# Altium PCB GrunMasterBox.PcbDoc (part 1 of 3) (continued)
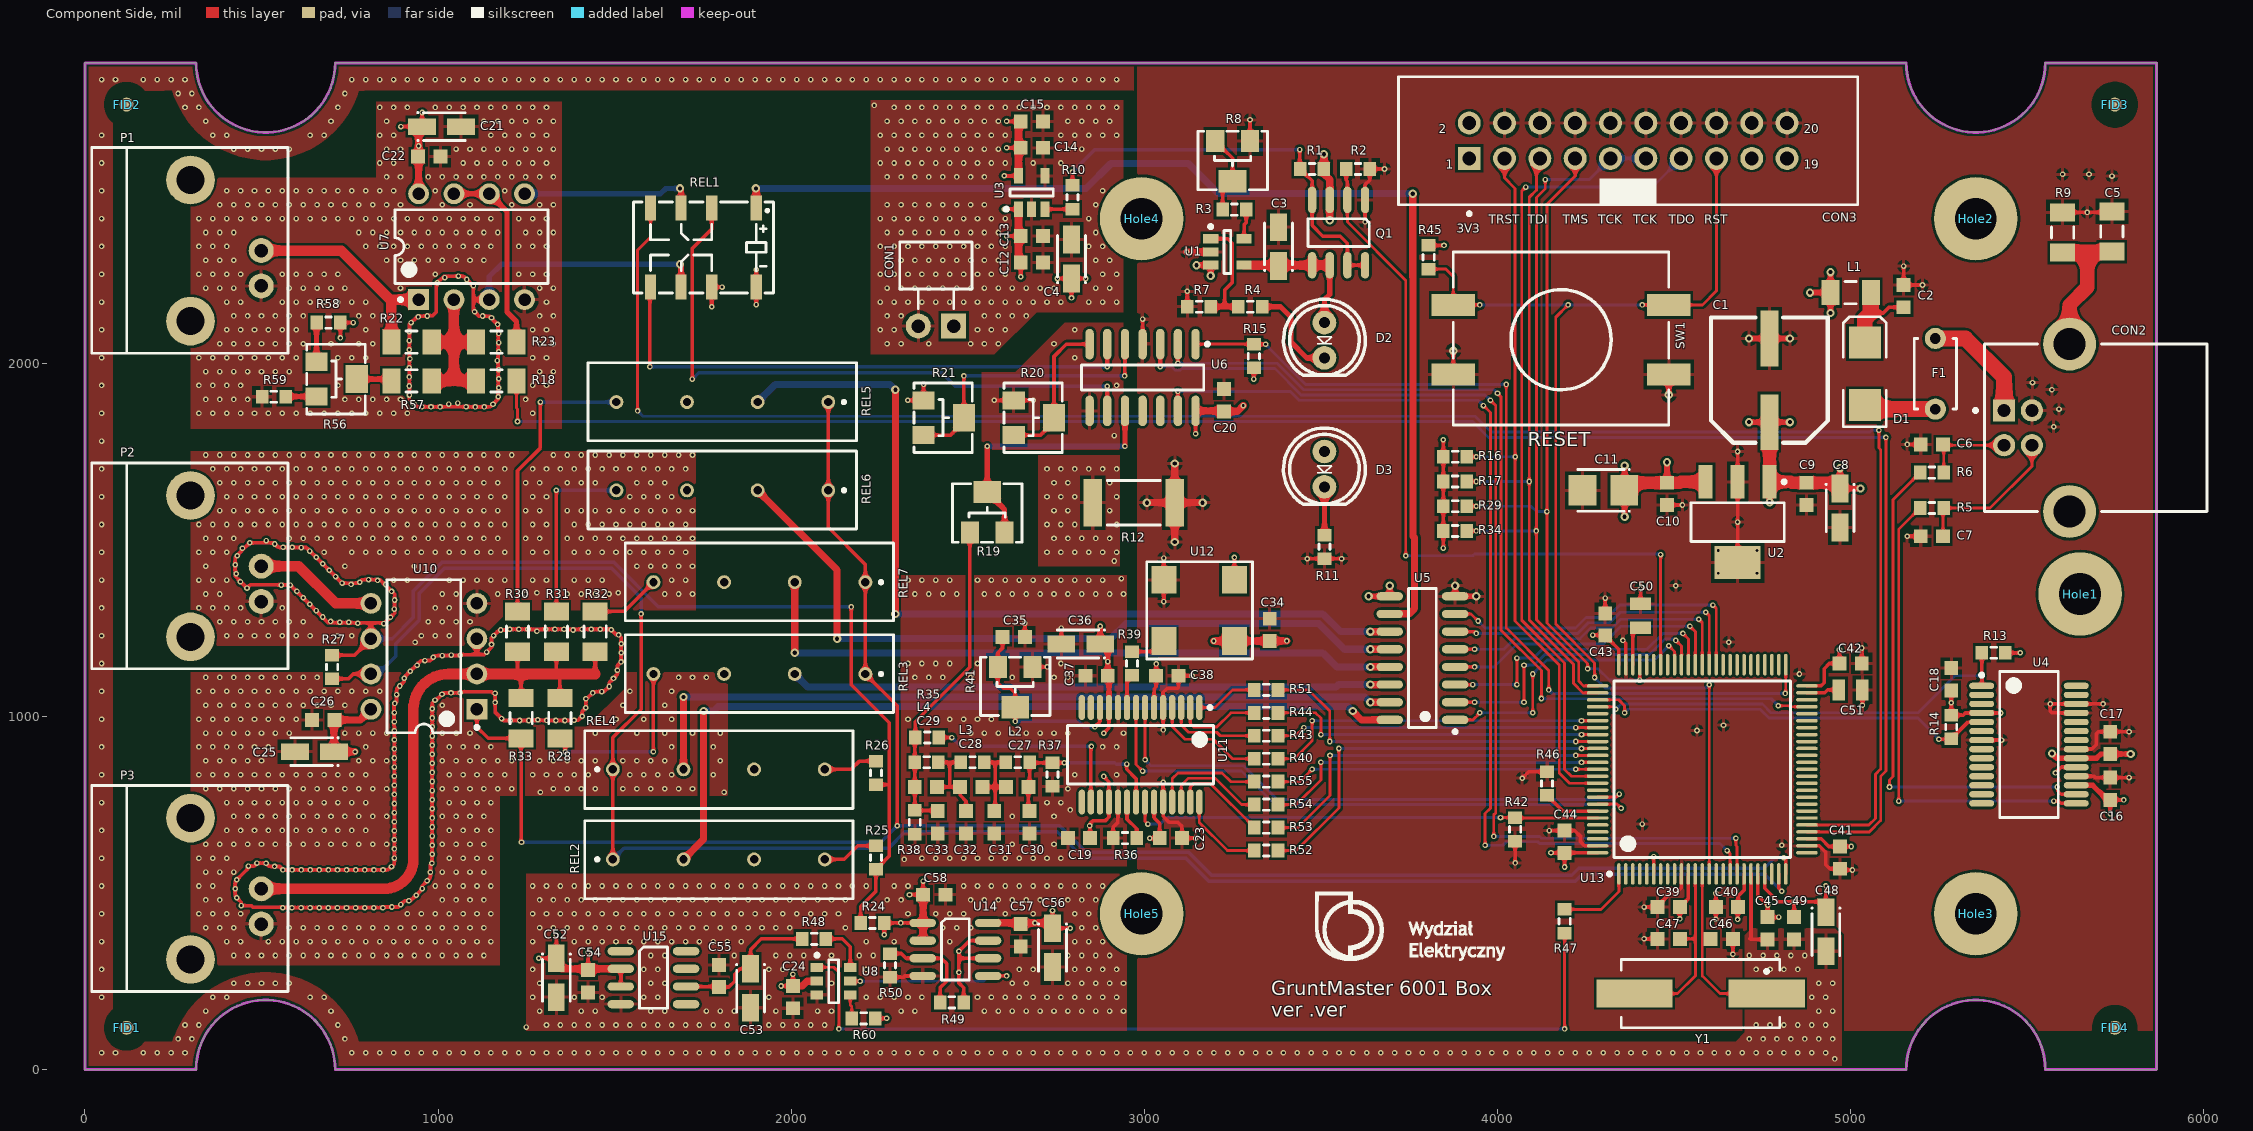
[diagram p0: Component Side view]
## Components (designator, comment, footprint, x,y, rotation, side; value= is the part's Value field where it differs from the comment) (continued)
P3 "BNC" 1-1337542-0 399.21,511.81 r90 top locked
Q1 "IRF7343" SO-8_L 3550,2370 r270 top
R1 "3k" RESC1608N 3475,2550 r180 top
R2 "10k" RESC1608N 3605,2550 r0 top
R3 "3.9k" RESC1608N 3255,2435 r180 top
R4 "470R" RESC1608N 3300,2160 r180 top
R5 "27R" RESC1608N 5230,1590 r0 top
R6 "27R" RESC1608N 5230,1690 r0 top
R7 "3k" RESC1608N 3155,2160 r180 top
R8 "3214W" POT3214W 3250,2515 r90 top
R9 "10M" RESC3216N 5600,2370 r270 top
R10 "1k" RESC1608N 2796.5,2470 r270 top
R11 "220R" RESC1608N 3510,1480 r270 top
R12 "0R" RESC6332N 2970,1605 r0 top
R13 "100k" RESC1608N 5405,1180 r0 top
R14 "100k" RESC1608N 5285,970 r90 top
R15 "10k" RESC1608N 3310,2020 r270 top
R16 "47k" RESC1608N 3880,1735 r180 top
R17 "47k" RESC1608N 3880,1665 r180 top
R18 "1k" RESC3216N 1165,1950 r180 top
R19 "3214W" POT3214W 2555,1635 r270 top
R20 "3214W" POT3214W 2744.17,1845.79 r180 top
R21 "3214W" POT3214W 2489.17,1845.79 r180 top
R22 "1k" RESC3216N 925,2060 r180 top
R23 "1k" RESC3216N 1165,2060 r180 top
R24 "1k" RESC1608N 2230,415 r180 top
R25 "100R" RESC1608N 2240,600 r90 top
R26 "4k7" RESC1608N 2240,840 r90 top
R27 "22k" RESC1608N 700,1140 r270 top
R28 "1k" RESC3216N 1345,995 r90 top
R29 "47k" RESC1608N 3880,1595 r180 top
R30 "100k" RESC3216N 1225,1240 r90 top
R31 "100R" RESC3216N 1335,1240 r270 top
R32 "4k7" RESC3216N 1445,1240 r270 top
R33 "1M" RESC3216N 1235,995 r90 top
R34 "47k" RESC1608N 3880,1525 r180 top
R35 "1k" RESC1608N 2385,940 r180 top
R36 "25R" RESC1608N 2945,655 r0 top
R37 "220R" RESC1608N 2740,835 r270 top
R38 "50R" RESC1608N 2350,700 r270 top
R39 "10R" RESC1608N 2965,1150 r90 top
R40 "100R" RESC1608N 3345,880 r180 top
R41 "3214W" POT3214W 2634.21,1025.83 r90 top
R42 "10k" RESC1608N 4050,680 r270 top
R43 "100R" RESC1608N 3345,945 r180 top
R44 "100R" RESC1608N 3345,1010 r180 top
R45 "10k" RESC1608N 3805,2300 r90 top
R46 "10k" RESC1608N 4140,810 r270 top
R47 "10k" RESC1608N 4190,420 r90 top
R48 "100R" RESC1608N 2065,370 r0 top
R49 "3.9k" RESC1608N 2455,190 r180 top
R50 "3.9k" RESC1608N 2280,295 r270 top
R51 "100R" RESC1608N 3345,1075 r180 top
R52 "100R" RESC1608N 3345,620 r180 top
R53 "100R" RESC1608N 3345,685 r180 top
R54 "100R" RESC1608N 3345,750 r180 top
R55 "100R" RESC1608N 3345,815 r180 top
R56 "3214W" POT3214W 770,1955 r180 top
R57 "1k" RESC3216N 925,1950 r180 top
R58 "100k" RESC1608N 690,2115 r180 top
R59 "100k" RESC1608N 535,1905 r180 top
R60 "100R" RESC1608N 2205,145 r0 top
REL1 "G6K" G6K-2G-Y 1900.98,2440 r180 top
REL2 "RR9007" REED_RELAY_9007 1495,595 r0 top
REL3 "RR9007" REED_RELAY_9007 2210,1120 r180 top
REL4 "RR9007" REED_RELAY_9007 1495,850 r0 top
REL5 "RR9007" REED_RELAY_9007 2105,1890 r180 top
REL6 "RR9007" REED_RELAY_9007 2105,1640 r180 top
REL7 "RR9007" REED_RELAY_9007 2210,1380 r180 top
SW1 "DTSM-25" DTSM-25 4179.88,2066.57 r0 top
U1 "MCP73831T-2ATI/OT" SOT23-5_N 3235,2315 r0 top
U2 "LM3940IMP-3.3" MP04A_N 4680,1550 r270 top
U3 "LP5907-Q1" sot23-5_N 2680.94,2483.43 r90 top
U4 "FT232RL" SSOP28 5505,920 r0 top
U5 "ULN2003" SO16_N 3880,990 r180 top
U6 "MCP42010-14" SOIC-14 3145,2053.98 r270 top
U7 "MCP6002" DIP8 1095,2330 r90 top locked
U8 "MAX462X" SOT23-6 2120,250 r0 top
U10 "MCP6002" DIP8 960,1170 r180 top locked
U11 "AD9850BRSZ" SSOP28 2989.25,891.14 r270 top
U12 "ASSPXO" EPON_XO 3155,1300 r180 top
U13 "STM32F407VET6" LQFP100_L 4580,850 r90 top
U14 "MCP6002" SO-8_L 2465,340 r0 top
U15 "REF191" SO-8_L 1610,260 r0 top
Y1 "8MHz" HC49/4H_SMX 4575,215 r180 top

## Footprints (in the part's own frame and the unit in brackets; to place one, negate y for a bottom-side part, rotate by r counter-clockwise, add the part's x,y. Pads: shape width x height; smd on the part's side, far side on the other; paste and mask are expansions set on the pad)
1-1337542-0 [mm] "Gniazdo; BNC; ¿eñskie; izolowane; k¹towe 90°; 50?; THT; polietylen"
  round 1.8 hole 0.97: 1(0,-2.54) 2(-2.54,-2.54)
  round 3.5 hole 2.015: ""(-5.08,2.54) ""(5.08,2.54)
  silkscreen extent -7.38,-4.46 7.42,9.64, body extent -7.37,-4.76 7.33,43.35, height 14.15
CAP_SMD_8.3x6.2 [mm]
  rect 1.3x4 smd: 1(0,-3.009) 2(0,3.009)
  silkscreen extent -4.2,-4.49 4.2,4.51, body extent -4.15,-4.54 4.15,4.46, height 6.2
CAPC1608N [mm] "Chip Capacitor, Body 1.6x0.8mm, IPC Medium Density"
  rect 1x1 smd: 1(-0.8,0) 2(0.8,0)
  body extent -0.8,-0.4 0.8,0.4, height 0.3
CAPC2012N [mm] "Chip Capacitor, Body 2.0x1.3mm, IPC Medium Density"
  rect 0.9x1.5 smd: 1(-0.85,0) 2(0.85,0)
  body extent -1,-0.61 1,0.64, height 0.78
CAPC3216N [mm] "Chip Capacitor, Body 3.2x1.6mm, IPC Medium Density"
  rect 1.3x1.8 smd: 1(-1.45,0) 2(1.45,0)
  silkscreen extent -0.4,-0.8 0.4,0.8, body extent -1.63,-0.79 1.57,0.81, height 1
DIP8 [mm] "DIP, 8-Leads, Row Spacing 7.62mm, Pitch 2.54mm, Body 9.9x6.4mm"
  rect 1.5x1.5 hole 0.9: 1(-3.81,3.81)
  round 1.5 hole 0.9: 2(-3.81,1.27) 3(-3.81,-1.27) 4(-3.81,-3.81) 5(3.81,-3.81) 6(3.81,-1.27) 7(3.81,1.27) 8(3.81,3.81)
  silkscreen extent -3.93,-5.5 2.65,5.5, body extent -5.08,-5.08 5.08,5.08, height 8.3
DTSM-25 [mm]
  rect 3.1x1.6 smd: 1(-7.75,2.5) 2(7.75,2.5) 3(-7.75,-2.5) 4(7.75,-2.5)
  silkscreen extent -7.75,-6.14 7.74,6.31, body extent -7.55,-6 7.45,6, height 8.5
EPON_XO [mm]
  rect 1.8x2 smd: 1(-2.54,-2.2) 2(2.54,-2.2) 3(2.54,2.2) 4(-2.54,2.2)
  silkscreen extent -3.84,-3.5 3.76,3.5, body extent -3.69,-2.4 3.61,2.4, height 1
FERRITE_1206 [mm] "Chip Resistor, Body 3.2x1.6mm, IPC Medium Density"
  rect 1.3x1.8 smd: 1(-1.45,0) 2(1.45,0)
  silkscreen extent -0.4,-0.8 0.4,0.8, body extent -1.6,-0.8 1.6,0.8, height 1.1
"Fid Round" [mm]
  round 1 smd paste-2.54 mask+1: 0(0,0)
  Component Side pour cut-out: -1.651,0 -1.525,0.632 -1.167,1.167 -0.632,1.525 0,1.651 0,1.651 0.632,1.525 1.167,1.167 1.525,0.632 1.651,0 1.651,0 1.525,-0.632 1.167,-1.167 0.632,-1.525 0,-1.651 0,-1.651 -0.632,-1.525 -1.167,-1.167 -1.525,-0.632 -1.651,0
G6K-2G-Y [mm] "PrzekaŸnik: elektromagnetyczny; DPDT; Ucewki :5VDC; 0,3A/125VAC"
  rect 0.8x1.8 smd: 1(0,0) 2(3.2,0) 3(5.4,0) 4(7.6,0) 5(7.6,5.7) 6(5.4,5.7) 7(3.2,5.7) 8(0,5.7)
  silkscreen extent -1.25,-0.43 8.82,6.12, body extent -1.2,-0.4 8.8,6.1, height 5.4
HC49/4H_SMX [mm] "Quartz Crystal, SM; Body 13.4 (inc. leads) x 4.9 mm (LxW max)"
  rect 5.5x2 smd paste-1: 1(-4.75,0) 2(4.75,0)
  silkscreen extent -5.7,-2.45 5.7,2.45, body extent -6.7,-2.45 6.7,2.45, height 5.08
Hole-3/6 [mm]
  round 6 hole 3: 1(0,0)
IDC20_10x2 [mm] "Connector; IDC, Straight Press-in Pin, Thru-Hole; 20 Position; Vertical; Pitch 2.54 mm; Body 33.02 x 9.2 x 9.45 mm (LxWxH)"
  rect 1.65x1.65 hole 1: 1(-11.43,-1.27)
  round 1.65 hole 1: 2(-11.43,1.27) 3(-8.89,-1.27) 4(-8.89,1.27) 5(-6.35,-1.27) 6(-6.35,1.27) 7(-3.81,-1.27) 8(-3.81,1.27) 9(-1.27,-1.27) 10(-1.27,1.27) 11(1.27,-1.27) 12(1.27,1.27) 13(3.81,-1.27) 14(3.81,1.27) 15(6.35,-1.27) 16(6.35,1.27) 17(8.89,-1.27) 18(8.89,1.27) 19(11.43,-1.27) 20(11.43,1.27)
  silkscreen extent -16.51,-5.37 16.51,4.6, body extent -16.5,-4.32 16.5,4.53, height 8.94
inductor_0603 [mm]
  rect 1x0.9 smd: 1(0,0) 2(0,1.7)
  silkscreen extent -0.4,0.65 0.4,1.05, body extent -0.48,0.1 0.47,1.7, height 0.78
LQFP100_L [mm] "Thin QFP, 100-Leads, Body 14x14mm, Pitch 0.5mm, IPC High Density"
  oval 1.55x0.25 smd: 1(-7.525,6) 2(-7.525,5.5) 3(-7.525,5) 4(-7.525,4.5) 5(-7.525,4) 6(-7.525,3.5) 7(-7.525,3) 8(-7.525,2.5) 9(-7.525,2) 10(-7.525,1.5) 11(-7.525,1) 12(-7.525,0.5) 13(-7.525,0) 14(-7.525,-0.5) 15(-7.525,-1) 16(-7.525,-1.5) 17(-7.525,-2) 18(-7.525,-2.5) 19(-7.525,-3) 20(-7.525,-3.5) 21(-7.525,-4) 22(-7.525,-4.5) 23(-7.525,-5) 24(-7.525,-5.5) 25(-7.525,-6) 51(7.525,-6) 52(7.525,-5.5) 53(7.525,-5) 54(7.525,-4.5) 55(7.525,-4) 56(7.525,-3.5) 57(7.525,-3) 58(7.525,-2.5) 59(7.525,-2) 60(7.525,-1.5) 61(7.525,-1) 62(7.525,-0.5) 63(7.525,0) 64(7.525,0.5) 65(7.525,1) 66(7.525,1.5) 67(7.525,2) 68(7.525,2.5) 69(7.525,3) 70(7.525,3.5) 71(7.525,4) 72(7.525,4.5) 73(7.525,5) 74(7.525,5.5) 75(7.525,6)
  oval 0.25x1.55 smd: 26(-6,-7.525) 27(-5.5,-7.525) 28(-5,-7.525) 29(-4.5,-7.525) 30(-4,-7.525) 31(-3.5,-7.525) 32(-3,-7.525) 33(-2.5,-7.525) 34(-2,-7.525) 35(-1.5,-7.525) 36(-1,-7.525) 37(-0.5,-7.525) 38(0,-7.525) 39(0.5,-7.525) 40(1,-7.525) 41(1.5,-7.525) 42(2,-7.525) 43(2.5,-7.525) 44(3,-7.525) 45(3.5,-7.525) 46(4,-7.525) 47(4.5,-7.525) 48(5,-7.525) 49(5.5,-7.525) 50(6,-7.525) 76(6,7.525) 77(5.5,7.525) 78(5,7.525) 79(4.5,7.525) 80(4,7.525) 81(3.5,7.525) 82(3,7.525) 83(2.5,7.525) 84(2,7.525) 85(1.5,7.525) 86(1,7.525) 87(0.5,7.525) 88(0,7.525) 89(-0.5,7.525) 90(-1,7.525) 91(-1.5,7.525) 92(-2,7.525) 93(-2.5,7.525) 94(-3,7.525) 95(-3.5,7.525) 96(-4,7.525) 97(-4.5,7.525) 98(-5,7.525) 99(-5.5,7.525) 100(-6,7.525)
  silkscreen extent -7.65,-6.35 6.35,6.8, body extent -8,-8 8,8, height 1.6
MP04A_N [mm] "SOT223, 4-Leads, Body 6.5x3.5mm, Pitch 2.3mm, Lead Span 7mm, IPC Medium Density"
  rect 2.4x1 smd: 1(-2.9,2.3) 2(-2.9,0) 3(-2.9,-2.3)
  rect 2.4x3.3 smd: 4(2.9,0)
  silkscreen extent -3.02,-3.35 1.4,3.48, body extent -3.47,-3.25 3.47,3.25, height 1.64
MX-7395-02B [mm] "Gniazdo; przewód-p³ytka; mêskie; PIN:2; 2,54mm; THT; KK 254; 4A"
  rect 1.8x1.8 hole 0.97: 1(0,0)
  round 1.8 hole 0.97: 2(-2.54,0)
  silkscreen extent -3.88,1.25 1.33,6.05, body extent -3.79,-0.3 1.29,14.44, height 5.87
PN8923 [mm] "LED 5mm + PN8923 spacer"
  round 1.7 hole 0.8: 1(0,0)
  round 1.7 hole 0.8 paste+0: 2(2.54,0)
  silkscreen extent -1.68,-2.95 3.8,2.95, body extent -1.87,-3.17 4.48,3.18, height 22.31
POT3214W [mm]
  rect 1.6x1.3 smd: 1(2.9,1.25) 3(2.9,-1.25)
  rect 1.6x2 smd: 2(0,0)
  silkscreen extent -0.6,-2.5 3.6,2.5, body extent -0.47,-2.4 3.47,2.4, height 5.36
RAXXX [mil]
  round 60 hole 30: 1(0,0) 2(0,-200)
  silkscreen extent -60,-200 60,0, body extent -115,-255 104,59, height 496
REED_RELAY_9007 [mm]
  round 1 hole 0.6: 1(0,0) 2(5.08,0) 3(10.16,0) 4(15.24,0)
  silkscreen extent -2.02,-2.83 17.27,2.78, body extent -2.03,-2.83 17.27,2.77, height 8.1
RESC1608N [mm] "Chip Resistor, Body 1.6x0.8mm, IPC Medium Density"
  rect 0.9x1 smd: 1(-0.85,0) 2(0.85,0)
  silkscreen extent -0.2,-0.4 0.2,0.4, body extent -0.8,-0.4 0.8,0.4, height 0.3
RESC3216N [mm] "Chip Resistor, Body 3.2x1.6mm, IPC Medium Density"
  rect 1.3x1.8 smd: 1(-1.45,0) 2(1.45,0)
  silkscreen extent -0.4,-0.8 0.4,0.8, body extent -1.6,-0.8 1.6,0.8, height 0.55
RESC6332N [mm] "Chip Resistor, Body 6.3x3.2mm, IPC Medium Density"
  rect 1.3x3.4 smd: 1(-2.95,0) 2(2.95,0)
  silkscreen extent -1.9,-1.6 1.9,1.6, body extent -3.2,-1.6 3.2,1.6, height 0.6
SMB [mm] "DO-214-AA/SMB; 2 C-Bend Leads; Body 5.3 x 3.6 mm, inc. leads (LxW)"
  rect 2.3x2.3 smd: 1(-2.25,0) 2(2.25,0)
  silkscreen extent -3.8,-1.55 4.1,1.55, body extent -2.67,-1.77 2.63,1.83, height 2.4
SMDA [mm] "Capacitor, SM Tantalum; Body 3.2 x 1.6 mm (LxW typ)"
  rect 2x1.2 smd: 1(-1.4,0) 2(1.4,0)
  silkscreen extent -1.71,-1.01 1.7,1.01, body extent -2.4,-0.9 2.4,0.9, height 1.8
SMDB [mm] "Capacitor, SM Tantalum; Body 3.5 x 2.8 mm (LxW typ)"
  rect 2x2.2 smd: 1(-1.5,0) 2(1.5,0)
  silkscreen extent -1.86,-1.5 1.85,1.5, body extent -2.5,-1.5 2.5,1.5, height 2.11
SO16_N [mm]
  oval 1.9x0.6 smd: 1(0,0) 2(0,-1.27) 3(0,-2.54) 4(0,-3.81) 5(0,-5.08) 6(0,-6.35) 7(0,-7.62) 8(0,-8.89) 9(4.7,-8.89) 10(4.7,-7.62) 11(4.7,-6.35) 12(4.7,-5.08) 13(4.7,-3.81) 14(4.7,-2.54) 15(4.7,-1.27) 16(4.7,0)
  silkscreen extent -0.13,-9.45 3.35,0.97, body extent -0.65,-9.39 5.35,0.51, height 1.4
SO-8_L [mm] "8-Pin Small Outline Integrated Circuit 1.27 mm Pitch, IPC High Density"
  oval 1.9x0.6 smd: 1(-2.35,1.905) 2(-2.35,0.635) 3(-2.35,-0.635) 4(-2.35,-1.905) 5(2.35,-1.905) 6(2.35,-0.635) 7(2.35,0.635) 8(2.35,1.905)
  silkscreen extent -1,-2.2 1,2.2, body extent -3.17,-2.5 3.17,2.5, height 1.88
SOIC-14 [mm]
  oval 2.2x0.6 smd: 1(0,0) 2(0,-1.27) 3(0,-2.54) 4(0,-3.81) 5(0,-5.08) 6(0,-6.35) 7(0,-7.62) 8(4.8,-7.62) 9(4.8,-6.35) 10(4.8,-5.08) 11(4.8,-3.81) 12(4.8,-2.54) 13(4.8,-1.27) 14(4.8,0)
  silkscreen extent -0.12,-8.21 3.3,0.98, body extent -0.49,-8.09 5.31,0.47, height 1.75
SOT23-5_N [mm] "SOT23, 5-Leads, Body 2.9x1.6mm, Pitch 0.95mm, Lead Span 2.8mm, IPC Medium Density"
  rect 1.1x0.65 smd: 1(-1.2,0.95) 2(-1.2,0) 3(-1.2,-0.95) 4(1.2,-0.95) 5(1.2,0.95)
  silkscreen extent -1.32,-1.55 0.25,1.95, body extent -1.4,-1.45 1.4,1.45, height 1.45
sot23-5_N [mm] "SOT23, 5-Leads, Body 2.9x1.6mm, Pitch 0.95mm, Lead Span 2.8mm, IPC Medium Density"
  rect 1.1x0.65 smd: 1(-1.2,0.95) 2(-1.2,0) 3(-1.2,-0.95) 4(1.2,-0.95) 5(1.2,0.95)
  silkscreen extent -1.32,-1.55 0.25,1.95, body extent -1.4,-1.45 1.4,1.45, height 1.45
SOT23-6 [mm] "SOT23, 6-Leads, Body 3x1.5mm, Pitch 1mm, Lead Span 2.7mm, IPC High Density"
  rect 0.9x0.65 smd: 1(-1.2,1) 2(-1.2,0) 3(-1.2,-1) 4(1.2,-1) 5(1.2,0) 6(1.2,1)
  silkscreen extent -1.32,-1.55 0.35,2, body extent -1.4,-1.45 1.4,1.45, height 1.45
SSOP28 [mm]
  oval 1.8x0.45 smd: 1(-3.4,4.225) 2(-3.4,3.575) 3(-3.4,2.925) 4(-3.4,2.275) 5(-3.4,1.625) 6(-3.4,0.975) 7(-3.4,0.325) 8(-3.4,-0.325) 9(-3.4,-0.975) 10(-3.4,-1.625) 11(-3.4,-2.275) 12(-3.4,-2.925) 13(-3.4,-3.575) 14(-3.4,-4.225) 15(3.4,-4.225) 16(3.4,-3.575) 17(3.4,-2.925) 18(3.4,-2.275) 19(3.4,-1.625) 20(3.4,-0.975) 21(3.4,-0.325) 22(3.4,0.325) 23(3.4,0.975) 24(3.4,1.625) 25(3.4,2.275) 26(3.4,2.925) 27(3.4,3.575) 28(3.4,4.225)
  silkscreen extent -3.52,-5.25 2.1,5.25, body extent -4.11,-5.2 4.11,5.3, height 1.94
USB-B_SOCKET [mm]
  rect 1.6x1.6 hole 0.92: 1(-2.355,1.25)
  round 1.6 hole 0.92: 2(-2.355,-1.25) 3(-0.355,-1.25) 4(-0.355,1.25)
  round 3.8 hole 2.3: 5(2.355,6.02) 6(2.355,-6.02)
  silkscreen extent -4.54,-6.02 12.24,6.02, body extent -3.86,-7.42 12.64,7.38, height 10.92

## Part data
C1 C3 C4 C8 C11: library part "Capacitor Tantalum", "Capacitor Tantalum"
C2 C5 C6 C7 C12 C13 C14 C15 C16 C17 C18 C19 C20 C22 C23 C24 C26 C27 C28 C29 C30 C31 C32 C33 C34 C35 C37 C38 C39 C40 C41 C42 C43 C44 C45 C46 C47 C49 C50 C51 C54 C55 C57 C58: library part Capacitor, "Capacitor"
C9 C10: library part Cap, "Capacitor"
C21 C25 C36 C48 C52 C53 C56: library part "100uF 6.3V-SMDB", "Polarized Capacitor (Surface Mount)"
CON1: "Pith 2.54mm, 2-pin"
CON3: library part IDC20_10x2
D1: library part MBRS340T3, "Schottky Barrier Rectifier,  40V, 3A"
F1: library part RAXXX
FID1 FID2 FID3 FID4: library part "FID ROUND", "round fiducial"
Hole1 Hole2 Hole3 Hole4 Hole5: library part HOLE_
L1 L2 L3 L4: library part Inductor, "Inductor"
P1 P2 P3: "BNC Elbow Connector"
Q1: "Dual N and P Channel MOSFET"
R1 R2 R3 R4 R5 R6 R7 R9 R10 R11 R12 R13 R14 R15 R16 R17 R18 R22 R23 R24 R25 R26 R27 R28 R29 R30 R31 R32 R33 R34 R35 R36 R37 R38 R39 R40 R42 R43 R44 R45 R46 R47 R48 R49 R50 R51 R52 R53 R54 R55 R57 R58 R59 R60: library part Resistor, "Resistor"
R8 R19 R20 R21 R41 R56: library part RPot, "Potentiometer"
REL1: "Surface Mounting Relay with the World’s  Smallest Mounting Area and a Height of  Only 5.2 mm"
REL2 REL3 REL4 REL5 REL6 REL7: library part "REED RELAY 9007", "9007 SERIES/SPARTAN SIP REED RELAYS"
U1: library part MCP73831-SOT5, "Miniature Single-Cell, Fully Integrated Li-Ion, Li-Polymer Charge Management Controller, 4.2V, 5-Pin SOT-23, Industrial Temperature, Tape and Reel"
U2: "1A Low Dropout Regulator for 5V to 3.3V Conversion, 4-pin SOT-223"
U3: "Ultra Low-Noise, 250-mA Linear Regulator for RF and Analog Circuits -  Requires No Bypass Capacitor"
U4: library part COM-UART-FT232R-IL28, "USB UART Asynchronous Serial Data Transfer Chip, SSOP-28, Tray"
U6: library part MCP42XXX-14, "Single/Dual Digital Potentiometer with SPI Interface, 14-Pin SOIC 150mil, Industrial Temperature, Tape and Reel"
U7 U10 U14: "Dual op-amp"
U8: "1?, Low-Voltage, Single-Supply  SPDT Analog Switches"
U11: library part AD9850, "CMOS, 125 MHz Complete DDS Synthesizer, 10-Bit, Parallel, Serial, RS-28, 47 Tube, Pb-Free"
U12: library part CFPS-39
U13: "ARM Cortex-M4 32-bit MCU+FPU, 210 DMIPS, 512 kB Flash, 192 kB Internal RAM, 82 I/Os, 100-pin LQFP, -40 to 85 degC, Tray"
U15: "REF191 2.048V"
Y1: library part HC49, "HC49"

## Via types
v1: diameter 15.75, hole 7.87, Component Side to Solder Side, 1956 vias
v2: diameter 15.75, hole 7.87, Component Side to Solder Side, tented both sides, 266 vias
v3: diameter 23.62, hole 11.81, Component Side to Solder Side, tented both sides, 45 vias

## Nets (pads, with @x,y where several pads share a name; then routed paths per layer and width w, separated by ;. In a path a pad name is that pad's centre, name@x,y a point inside that pad or via, vN(x,y) a via of type N, cw(c..) or ccw(c..) an arc to the next point about the centre after c; other vN are vias at no path point)
2V054A: C53.1 C55.1 R48.1 U15.6 | length 430
  Component Side w10: U15.6@1702.52,235 1793.5,235 C55.1@1795,233.5 1823.5,233.5 1840,250 1840,270 1855.12,285.12 C53.1@1885,285.12 1885,340 1915,370 R48.1@2031.54,370
3V3: C10.2 C11.1 C20.2 C23.1 C34.1 C38.1 C39.2 C40.2 C41.2 C42.2 C43.2 C44.2 R15.2 R16.2 R17.2 R29.2 R34.2 R45.2 U2.3 U6.14 U11.6 U11.23 U12.1 U12.4 U13.6 U13.11 U13.19 U13.28 U13.50 U13.75 U13.100 | length 2512.6
  Component Side w10: v2(3015,655) C23.1@3043.5,655 3043.5,696.5 3027.64,712.36 U11.23@3027.64,757.28 ; U11.6@3027.64,1025 3027.64,1077.64 3033.5,1083.5 C38.1@3033.5,1115 v2(3033.5,1148.5) ; v2(3145,1800) U6.14@3145,1865 ; U12.1@3255,1386.61 v2(3255,1450) ; v2(3310,1955) R15.2@3310,1986.54 ; R45.2@3805,2333.46 v2(3848.46,2333.46) ; v2(3846.54,1476.54) R34.2@3846.54,1525 R29.2@3846.54,1595 R17.2@3846.54,1665 R16.2@3846.54,1735 v2(3846.54,1783.46) ; v2(4151.5,613.5) C44.2@4190,613.5 ; v2(4190,573.48) C44.2@4190,613.5 ; v2(4270,1230) 4303.5,1230 C43.2@4305,1228.5 4343.78,1189.72 U13.75@4343.78,1146.26 ; U13.100@4283.74,613.78 4190.28,613.78 C44.2@4190,613.5 ; U13.6@4442.2,553.74 v2(4442.2,602.8) ; v2(4516.5,426.5) C39.2@4516.5,460 4540.63,484.13 U13.11@4540.63,553.74 ; v2(4680,425) 4680,458.5 C40.2@4681.5,460 4681.5,491.5 4698.11,508.11 U13.19@4698.11,553.74 ; U13.28@4876.26,653.15 4916.85,653.15 4938.5,631.5 C41.2@4970,631.5 v2(5001.5,631.5) ; U13.50@4876.26,1086.22 4916.22,1086.22 4925,1095 4925,1135 4940,1150 C42.2@4968.5,1150 v2(4968.5,1188.5)
  Component Side w15: C11.1@4359.06,1635 C11.1@4360,1635.94 ; C11.1@4359.06,1640 C11.1@4360,1639.06 ; v3(4360,1565) v3(4360,1710) ; C10.2@4480,1661.5 v3(4480,1719.41)
  Component Side w20: U6.14@3145,1865 3223.5,1865 C20.2@3225,1863.5 3263.5,1863.5 v2(3280,1880) ; v2(3196.61,1213.39) U12.4@3255,1213.39 3354.88,1213.39 C34.1@3355,1213.5 v2(3403.5,1213.5)
  Component Side w35: C11.1@4359.06,1640 4380.55,1661.5 C10.2@4480,1661.5 4516.5,1661.5 4519.17,1664.17 U2.3@4589.45,1664.17
3V3A: C14.2 C15.2 C19.1 C21.1 C22.2 C24.1 C25.1 C26.2 C36.1 C37.1 C48.1 C49.2 C52.1 C54.1 C56.1 C57.1 R21.3 R58.1 R60.2 U3.5 U7.8 U8.2 U10.8 U11.11 U11.18 U13.22 U14.8 U15.2 U15.3 | length 2776.4
  Component Side w10: v2(723.46,2071.54) R58.1@723.46,2115 v2(760,2115) ; v2(895,2670) C21.1@954.88,2670 v2(954.88,2709.88) ; v2(1285,315) 1285.12,315.12 C52.1@1335,315.12 v2(1335,380) ; C54.1@1425,281.5 v2@1425,331.38 ; U15.3@1517.48,235 U15.2@1517.48,285 ; v2(1971.5,236.5) C24.1@2005,236.5 v2(2005,270) ; R60.2@2238.46,145 v2(2270,145) ; v2(2330,1895) R21.3@2375,1895 v2(2375,1940) ; v2(2603.54,2530.67) U3.5@2643.54,2530.67 ; v2(2610,2610) C14.2@2650,2610 ; v2(2610,2685) C15.2@2650,2685 ; v2(2740,450) C56.1@2740,400.12 v2(2789.88,400.12) ; C19.1@2846.5,655 2846.5,696.5 2855,705 2890,705 2899.69,714.69 U11.18@2899.69,757.28 2899.69,815.31 v2(2885,830) ; v2(2885,952.28) 2899.69,966.97 U11.11@2899.69,1025 ; U13.22@4757.17,553.74 4757.17,512.83 4795,475 v2(4840,475) ; C49.2@4840,431.5 v2(4840,475) ; C48.1@4930,445.12 C48.1@4930,475 ; v2(4930,520) C48.1@4930,475 ; v2(4840,475) C48.1@4930,475
  Component Side w15: v2(2875.12,1254.88) C36.1@2875.12,1205 2896.5,1183.62 C37.1@2896.5,1115 2899.69,1111.81 U11.11@2899.69,1025
  Component Side w20: v2(765,900) C25.1@705.12,900 705.12,988.62 C26.2@706.5,990 780,990 U10.8@810,1020 ; U7.8@945,2480 945,2660.12 C21.1@954.88,2670 ; C52.1@1335,315.12 1335,300 1350,285 U15.2@1517.48,285 ; C24.1@2005,236.5 2031.5,236.5 2045,250 U8.2@2072.76,250 ; U14.8@2557.52,415 2725.12,415 C56.1@2740,400.12 ; U3.5@2643.54,2530.67 2643.54,2678.54 C15.2@2650,2685
  other v2: 1424.88,331.5 2690,415 2845,690 2896.5,1155 945,2615
3V3FTDI: C16.2 C18.2 R13.2 R14.2 U4.4 U4.17 U4.19 | length 509.4
  Component Side w10: C18.2@5285,1073.5 R14.2@5285,1003.46 5318.46,1003.46 5324.57,1009.57 U4.4@5371.14,1009.57 v2(5424.57,1009.57) ; R13.2@5438.46,1180 v2(5480,1180) ; v2(5580,840) 5596.02,856.02 U4.19@5638.86,856.02 ; v2(5735,725) C16.2@5735,763.5 v2(5773.5,763.5)
  Component Side w15: U4.17@5638.86,804.84 5685.16,804.84 5726.5,763.5 C16.2@5735,763.5
  other v2: 5285,1038.48
5V: C1.1 C8.1 C9.2 C17.2 D3.1 L1.2 Q1.3 R1.1 REL1.8 REL2.3 REL3.3 REL4.3 REL5.3 REL6.3 REL7.3 U2.1 U4.20 U5.9 | length 1455
  Component Side w10: v2(1900.98,2165.98) REL1.8@1900.98,2215.59 v2(1900.98,2265.2)
  Component Side w15: v3(3634.96,1340) U5.9@3694.96,1340 v3(3694.96,1369.96) ; v3(4712.09,1833.09) C1.1@4770,1833.09 v3(4827.91,1833.09) ; v3(4770.55,1606.26) U2.1@4770.55,1664.17 ; v3(4885,2200) L1.2@4942.91,2200 ; v3(4942.91,2142.09) L1.2@4942.91,2200 ; v3(4942.91,2257.91) L1.2@4942.91,2200 ; v3(4970,1703.03) C8.1@4970,1645.12 v3(5027.91,1645.12) ; v3(5570,895) 5583.39,881.61 U4.20@5638.86,881.61 5696.61,881.61 5708.5,893.5 C17.2@5735,893.5 v3(5792.91,893.5)
  Component Side w20: v3(3508.46,2591.54) R1.1@3508.46,2550 3508.46,2536.54 3525,2520 Q1.3@3525,2462.52 v3(3525,2405)
  Component Side w35: C1.1@4770.55,1832.54 U2.1@4770.55,1664.17 4830.83,1664.17 4833.5,1661.5 C9.2@4875,1661.5 4953.62,1661.5 C8.1@4970,1645.12
#BIASSEL: R47.2 U13.1 | length 224.6
  Component Side w8: R47.2@4190,453.46 4293.46,453.46 4343.78,503.78 U13.1@4343.78,553.74
#CS: R15.1 U6.1 U13.51 | length 2597.8
  Component Side w8: U6.1@3145,2053.98 R15.1@3309.49,2053.98 ; v2(4025,1940) 4025,1250 4145,1130 v2(4145,1075) ; v2(4815,1065) 4816.22,1066.22 U13.51@4816.22,1146.26
  Component Side w10: R15.1@3309.49,2053.98 R15.1@3310,2053.46 v2(3343.46,2053.46)
  Solder Side w8: v2(3343.46,2053.46) 3456.93,1940 v2(4025,1940) ; v2(4145,1075) 4155,1065 v2(4815,1065)
#RST: CON3.15 R45.1 SW1.1 SW1.2 U13.14 | length 3287.8
  Component Side w8: R45.1@3805,2266.54 3853.46,2266.54 3874.76,2245.24 SW1.1@3874.76,2165 v2(3950,2165) ; v2(4200,2165) 4165,2130 4165,1261.07 4275,1151.07 v2(4275,1110) ; v2(4410,2165) SW1.2@4485,2165 4580,2165 4620,2205 CON3.15@4620,2580 ; U13.14@4599.68,553.74 v2(4599.68,1089.68)
  Solder Side w8: v2(3950,2165) v2(4410,2165) ; v2(4275,1110) 4305,1080 4590,1080 v2(4599.68,1089.68)
#TRST: CON3.3 R16.1 U13.90 | length 2061.6
  Component Side w8: R16.1@3913.46,1735 v2(3940,1735) ; CON3.3@4020,2580 4020,2525 4050,2495 v2(4050,1735) 4050,1270 4175,1145 4175,840 4204.37,810.63 U13.90@4283.74,810.63
  Solder Side w8: v2(3940,1735) v2(4050,1735)
AE: P3.1 R28.2 R30.1 R31.2 R32.2 R33.2 U10.2 | length 1808.2
  Component Side w10: R30.1@1225,1182.91 1225,1130 1235,1120 R33.2@1235,1052.09 ; R31.2@1335,1182.91 1335,1125 1340,1120 1345,1115 R28.2@1345,1052.09 ; 1445,1120 R32.2@1445,1182.91
  Component Side w30: P3.1@499.21,511.81 846.81,511.81 ccw(c846.81,595) 930,595 930,1020 cw(c1030,1020) 1030,1120 U10.2@1110,1120 1235,1120 1340,1120 1445,1120
AE_SW_1K: U5.3 U13.65 | length 844.2
  Component Side w8: U5.3@3880,1090 v2(3930,1090) ; v2(4055,1090) v2(4055,1165) ; v2(4525,1235) 4540.63,1219.37 U13.65@4540.63,1146.26
  Solder Side w8: v2(3930,1090) v2(4055,1090) ; v2(4055,1165) 4102.57,1165 4127.57,1190 4423.79,1190 4468.79,1235 v2(4525,1235)
AE_SW_1K': REL3.2 U5.14 | length 1702.9
  Component Side w20: v3(3640,1090) U5.14@3694.96,1090
  Solder Side w20: REL3.2@2010,1120 2046.69,1083.31 3543.31,1083.31 3550,1090 v3(3640,1090)
AE_SW_4K7: U5.2 U13.66 | length 837.5
  Component Side w8: U5.2@3880,1040 v2(3935,1040) ; v2(4075,1040) v2(4075,1145) ; v2(4505,1215) 4520.94,1199.06 U13.66@4520.94,1146.26
  Solder Side w8: v2(3935,1040) v2(4075,1040) ; v2(4075,1145) 4103.79,1145 4133.79,1175 4430,1175 4473.87,1218.87 4501.13,1218.87 v2(4505,1215)
AE_SW_4K7': REL4.2 U5.15 | length 2211.2
  Component Side w20: REL4.2@1695,850 v3(1695,1055) ; v3(3640,1040) U5.15@3694.96,1040
  Solder Side w20: v3(1695,1055) 3625,1055 v3(3640,1040)
AE_SW_100: U5.1 U13.67 | length 816.9
  Component Side w8: U5.1@3880,990 3930,990 v2(3950,1010) ; v2(4100,1010) v2(4100,1120) ; v2(4485,1200) 4501.26,1183.74 U13.67@4501.26,1146.26
  Solder Side w8: v2(3950,1010) v2(4100,1010) ; v2(4100,1120) 4140,1160 4445,1160 v2(4485,1200)
AE_SW_100': REL2.2 U5.16 | length 2407.7
  Component Side w20: REL2.2@1695,595 1752,652 v3(1752,1015) ; v3@3590,1015 3615,990 U5.16@3694.96,990
  Solder Side w20: v3(1752,1015) 1780,1015 1793,1028 3577.04,1028 v3(3590,1015.04)
AE_SW_100K: U5.6 U13.62 | length 889.7
  Component Side w8: U5.6@3880,1240 3935,1240 v2(3940,1235) ; v2(4590,1295) 4599.68,1285.31 U13.62@4599.68,1146.26
  Solder Side w8: v2(3940,1235) 4227.09,1235 4257.09,1265 4317.57,1265 4347.57,1295 v2(4590,1295)
AE_SW_100K': REL5.2 U5.11 | length 2472.6
  Component Side w20: v3(2295,1290) v3(2295,1925) ; v3(3640,1240) U5.11@3694.96,1240
  Solder Side w20: REL5.2@1905,1890 1955,1940 2280,1940 v3(2295,1925) ; v3(2295,1290) 3505,1290 3555,1240 v3(3640,1240)
ANALOGEN: Q1.4 Q1.7 Q1.8 R1.2 R10.1 | length 1170.6
  Component Side w10: R10.1@2796.5,2503.46 v2(2796.5,2541.5) ; v2(3440,2605) 3440,2551.54 R1.2@3441.54,2550 3475,2516.54 Q1.4@3475,2462.52 3475,2390 3505,2360 3555,2360 3575,2340 Q1.7@3575,2277.48 Q1.8@3625,2277.48
  Solder Side w10: v2(2796.5,2541.5) 2860,2605 v2(3440,2605)
BOOT0: R46.2 U13.94 | length 162.2
  Component Side w10: R46.2@4140,776.54 4184.65,731.89 U13.94@4283.74,731.89
BOOT1: U13.37
CHARGEEN: Q1.2 R2.1 U13.69 | length 2200.6
  Component Side w8: Q1.2@3575,2462.52 3575,2400 3740,2235 v2(3740,1455) ; U13.69@4461.89,1146.26 v2(4461.89,1458.11)
  Component Side w10: R2.1@3571.54,2550 3571.54,2518.46 3575,2515 Q1.2@3575,2462.52
  Solder Side w8: v2(3740,1455) 3930,1455 3935,1460 v2@4461.89,1460
CV: REL1.4 U13.30 | length 5440.7
  Component Side w8: v2(1565,1865) 1565,2320 1601.77,2356.77 REL1.4@1601.77,2440 ; U13.30@4876.26,692.52 5051.31,692.52 5070,711.21 5070,836.21 5085,851.21 5085,1755 5080,1760 v2(5080,1810)
  Solder Side w8: v2(1565,1865) 1580,1850 3936.21,1850 3981.21,1805 5055,1805 5060,1810 v2(5080,1810)
CV_EIS_SW: U5.7 U13.61 | length 946.1
  Component Side w8: U5.7@3880,1290 3925,1290 v2(3945,1270) ; v2(4610,1315) 4619.37,1305.63 U13.61@4619.37,1146.26
  Solder Side w8: v2(3945,1270) 3965,1250 4220.88,1250 4250.88,1280 4311.36,1280 4346.36,1315 v2(4610,1315)
CV_EIS_SW': REL1.1 U5.10 | length 3232.8
  Component Side w20: v3(1900,2495) 1900.98,2494.02 REL1.1@1900.98,2440 ; U5.10@3694.96,1290 3750,1290 3764.87,1304.87 3764.87,1506.13 3761,1510 3761,2243.7 3760,2244.7 v3(3760,2480)
  Solder Side w20: v3(1900,2495) 2835,2495 2905,2565 3125,2565 3210,2480 v3(3760,2480)
DDS_IOUT: C27.1 C30.2 L2.1 R37.1 U11.21 | length 537.2
  Component Side w10: C30.2@2675,731.5 2671.5,735 C27.1@2671.5,800 2675,803.5 L2.1@2675,870 2676.54,868.46 R37.1@2740,868.46 v2(2773.46,868.46) ; v2(2950,865) 2950,850 2976.46,823.54 U11.21@2976.46,757.28
  Solder Side w10: v2(2773.46,868.46) 2916.54,868.46 2920,865 v2(2950,865)
DDSD1: R40.1 U13.81 | length 983.8
  Component Side w8: R40.1@3378.46,880 3425,880 3475,930 v2(3475,987.8) ; v2(4237.8,987.8) U13.81@4283.74,987.8
  Solder Side w8: v2(3475,987.8) v2(4237.8,987.8)
DDSD2: R43.1 U13.82 | length 914.8
  Component Side w8: R43.1@3378.46,945 3428.78,945 v2(3451.89,968.11) ; v2(4221.89,968.11) U13.82@4283.74,968.11
  Solder Side w8: v2(3451.89,968.11) v2(4221.89,968.11)
DDSD3: R44.1 U13.83 | length 958.1
  Component Side w8: R44.1@3378.46,1010 3485,1010 3500,995 v2(3500,948.43) ; v2(4237.8,948.43) U13.83@4283.74,948.43
  Solder Side w8: v2(3500,948.43) v2(4237.8,948.43)
DDSD4: R51.1 U13.84 | length 1016.4
  Component Side w8: R51.1@3378.46,1075 3465,1075 3525,1015 v2(3525,928.74) ; v2(4221.89,928.74) U13.84@4283.74,928.74
  Solder Side w8: v2(3525,928.74) v2(4221.89,928.74)
DDSD5: R52.1 U13.85 | length 1123.5
  Component Side w8: R52.1@3378.46,620 3430,620 3550.94,740.94 v2(3550.94,909.06) ; v2(4237.8,909.06) U13.85@4283.74,909.06
  Solder Side w8: v2(3550.94,909.06) v2(4237.8,909.06)
DDSD6: R53.1 U13.86 | length 1056.6
  Component Side w8: R53.1@3378.46,685 3435,685 3525.63,775.63 v2(3525.63,889.37) ; v2(4221.89,889.37) U13.86@4283.74,889.37
  Solder Side w8: v2(3525.63,889.37) v2(4221.89,889.37)
DDSD7: R54.1 U13.87 | length 984.6
  Component Side w8: R54.1@3378.46,750 3430,750 3500,820 v2(3500,870) ; v2(4237.8,869.69) U13.87@4283.74,869.69
  Solder Side w8: v2@3499.68,869.69 v2(4237.8,869.69)
DDSD8: R55.1 U13.88 | length 919.8
  Component Side w8: R55.1@3378.46,815 3440,815 v2(3475,850) ; v2(4221.89,850) U13.88@4283.74,850
  Solder Side w8: v2(3475,850) v2(4221.89,850)
DDSRST: R42.1 U11.22 U13.95 | length 1347.5
  Component Side w8: U11.22@3002.05,757.28 3002.05,702.95 v2(3010,695) ; v2(4008.46,713.46) R42.1@4050,713.46 4051.26,712.2 U13.95@4283.74,712.2
  Solder Side w8: v2(3010,695) 3045,695 3063.46,713.46 v2(4008.46,713.46)
EIS: C29.2 C33.2 L4.2 R19.3 R35.2 R38.1 | length 917.7
  Component Side w10: C33.2@2415,731.5 2413.03,733.46 R38.1@2350,733.46 C29.2@2350,800 L4.2@2350,870 2350,938.46 R35.2@2351.54,940 2351.54,985 2505.79,1139.25 R19.3@2505.79,1520.83
FQUD: U11.8 U13.93 | length 1657.2
  Component Side w8: U11.8@2976.46,1025 2976.46,863.54 v2(2995,845) ; U13.93@4283.74,751.57 4338.43,751.57 v2(4350,740)
  Solder Side w8: v2(2995,845) 3275,845 3370,750 4340,750 v2(4350,740)
FTDIRX: R14.1 U4.5 U13.78 | length 1174
  Component Side w8: U13.78@4283.74,1046.85 4343.15,1046.85 4360,1030 v2(4360,1010) ; v2(5250,935) 5283.46,935 R14.1@5285,936.54
  Component Side w10: R14.1@5285,936.54 5332.44,983.98 U4.5@5371.14,983.98
  Solder Side w8: v2(4360,1010) 4370,1020 4743.79,1020 4768.79,995 5190,995 v2(5250,935)